# Altium PCB MasterBoard Filips Shape.PcbDoc (part 1 of 2) (continued)
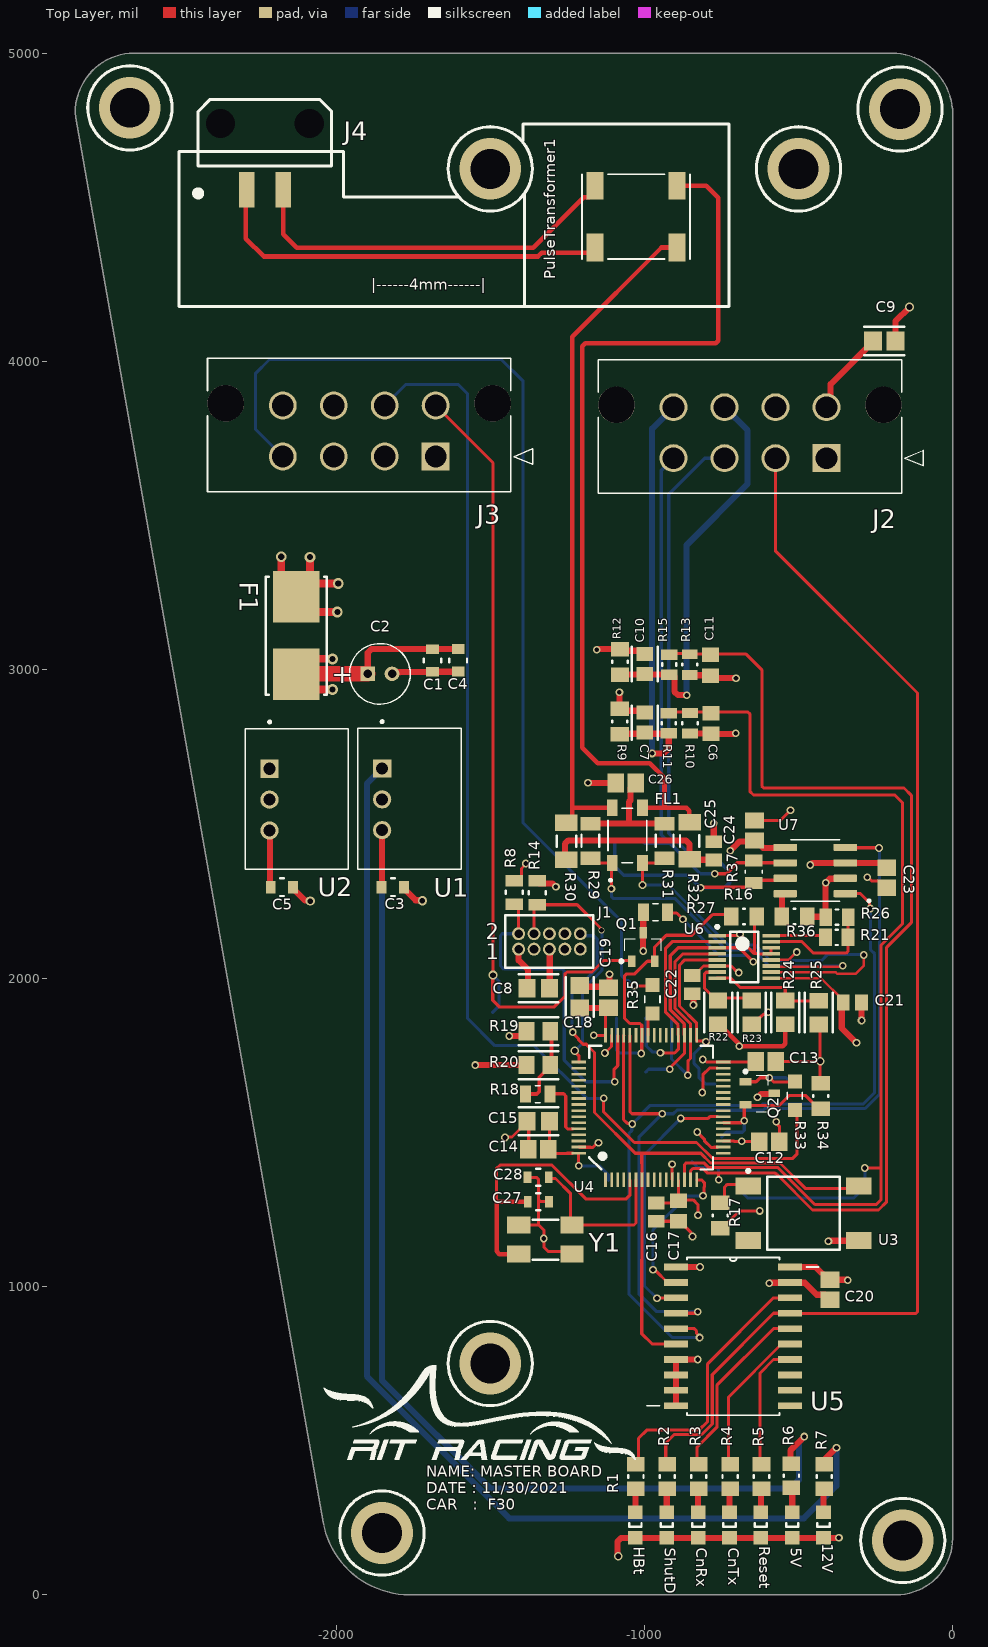
[diagram p0: Top Layer view]
## Part data
5V 12V CnRx CnTx HBt Reset ShutD: library part CMP-1426-00009-1, "SMD mono-color Chip LED, WL-SMCW, Bright Green", Case Code (Imperial)=0805, Case Code (Metric)=2012, Color="Bright Green", Forward Current=30mA, Forward Voltage=2V, Manufacturer="Wuerth Elektronik", Manufacturer 1="Wurth Electronics", Manufacturer Part Number 1=150080VS75000, Max Operating Temperature=85°C, Min Operating Temperature=-40°C, Package Quantity=4000, Supplier Part Number 1=732-4986-1-ND, Test Current=20mA, Case/Package=0805, Category=LEDs, ComponentLink1Description="Manufacturer URL", ComponentLink1URL=http://www.we-online.com, ComponentLink2Description=Datasheet, ComponentLink2URL=http://katalog.we-online.com/led/datasheet/150080VS75000.pdf, ComponentLink3Description=https://datasheet.ciiva.com/22656/150080vs75000-22656966.pdf?src-supplier=Element14, ComponentLink3URL=https://datasheet.ciiva.com/22656/150080vs75000-22656966.pdf?src-supplier=Element14, ComponentLink4Description=https://datasheet.ciiva.com/29279/759437-da-01-en-chipled-0805-w-kl-h-gruen-150080vs7500-29279047.pdf?src-supplier=Conrad, ComponentLink4URL=https://datasheet.ciiva.com/29279/759437-da-01-en-chipled-0805-w-kl-h-gruen-150080vs7500-29279047.pdf?src-supplier=Conrad, ComponentLink5Description=https://datasheet.ciiva.com/29563/150080vs75000-29563018.pdf?src-supplier=Digi-Key, ComponentLink5URL=https://datasheet.ciiva.com/29563/150080vs75000-29563018.pdf?src-supplier=Digi-Key, Dominant Wavelength=570nm, Height=0.7mm, Length=2mm, Lens Style=Clear,Rectangular, Luminous Intensity=40mcd, Mount="Surface Mount", PackageReference=0805_A, Packaging="Tape and Reel", PartNumber=150080VS75000, Pricing 1="1=0.18000, 50=0.16500, 100=0.14200, 500=0.12300 (USD)", REACH SVHC=Unknown, RoHS=Yes, Stock 1=20997, Supplier 1=Digi-Key, Viewing Angle=140°, Wavelength=570nm, Width=1.25mm
"AIR Signal NMOS" AIR_OPEN_SIGNAL CANH CANL CHANNEL1 CHANNEL2 "Charging Signal" "Charging Signal NMOS" TP_CS TP_MISO TP_MOSI TP_SCK VCC_3.3V VCC_5V: "SMD Test Point", Manufacturer="Keystone Electronics", ComponentLink1Description=Datasheet, ComponentLink1URL=http://www.mouser.com/ds/2/215/005-5009-743680.pdf, PartNumber=5015, Published=22Oct2016, Publisher=T.Tallo, Status=Active, TargetLibrary=RITRacing-Connectors
C1 C3 C4 C5: library part CMP-08246-003655-1, "Multilayer Ceramic Capacitors 10μF ±10% 16V X6S SMD 0805", Case Code (Imperial)=0805, Case Code (Metric)=2012, Dielectric=X6S, Dielectric Material=Ceramic, Max Operating Temperature=105°C, Min Operating Temperature=-55°C, Package Quantity=1, Supplier Part Number 1=445-7611-1-ND, Tolerance=10%, Voltage Rating=16V, Capacitance=10uF, Case/Package=0805, Construction=Flat, Contact Plating=Tin, Depth=1.25mm, Height=1.25mm, Lead Free="Lead Free", Length=2mm, Mount="Surface Mount", Packaging="Tape and Reel", REACH SVHC="No SVHC", RoHS Compliant=Yes, Series=C, Supplier 1=Digi-Key, Thickness=0.057inch, Voltage Rating (DC)=16V, Width=0.049inch
C2: library part "Cap, TH, Electrolytic_5mm", "Cap Alum 10UF 20% 25V Radial", Manufacturer 1=KEMET, Manufacturer Part Number 1=ESW106M025AC3AA, Supplier Part Number 1=399-ESW106M025AC3AA-ND, Pricing 1="1=0.23000, 10=0.15400, 50=0.09260, 100=0.07820, 500=0.05352, 1000=0.04735, 2500=0.04529, 5000=0.04117 (USD)", Published=22Oct2016, Publisher=T.Tallo, RoHS Compliant=Yes, Status=Active, Stock 1=7476, Supplier 1=Digi-Key, TargetLibrary=RITRacing-Passives
C6 C11: library part CMP-2007-00190-1, Capacitance=680nF, Case Code (Imperial)=0805, Case Code (Metric)=2012, Dielectric=X7R, Manufacturer=Murata, Max Operating Temperature=125°C, Min Operating Temperature=-55°C, Package Quantity=1, Supplier Part Number 1=490-4741-1-ND, Tolerance=10%, Voltage=16V, Case/Package=0805, Category="Ceramic Capacitors", ComponentLink1Description=https://datasheet.ciiva.com/136/grm219r71c684ka01-01-136854.pdf?src-supplier=Digi-Key, ComponentLink1URL=https://datasheet.ciiva.com/136/grm219r71c684ka01-01-136854.pdf?src-supplier=Digi-Key, ComponentLink2Description=https://datasheet.ciiva.com/136/grm219r71c684ka01-01-136855.pdf?src-supplier=Digi-Key, ComponentLink2URL=https://datasheet.ciiva.com/136/grm219r71c684ka01-01-136855.pdf?src-supplier=Digi-Key, ComponentLink3Description=https://datasheet.ciiva.com/136/grm219r71c684ka01-01-136856.pdf?src-supplier=Digi-Key, ComponentLink3URL=https://datasheet.ciiva.com/136/grm219r71c684ka01-01-136856.pdf?src-supplier=Digi-Key, ComponentLink4Description=https://datasheet.ciiva.com/5426/product-5426512.pdf?src-supplier=Mouser, ComponentLink4URL=https://datasheet.ciiva.com/5426/product-5426512.pdf?src-supplier=Mouser, ComponentLink5Description=https://datasheet.ciiva.com/11464/product-11464042.pdf?src-supplier=Avnet, ComponentLink5URL=https://datasheet.ciiva.com/11464/product-11464042.pdf?src-supplier=Avnet, Construction=Flat, Depth=1.25mm, Height=0.85mm, Lead Free="Lead Free", Length=2mm, Manufacturer 1=Murata, Manufacturer 2=Murata, Manufacturer 3=Murata, Manufacturer Part Number 1=GRM219R71C684KA01D, Manufacturer Part Number 2=GRM219R71C684KA01D, Manufacturer Part Number 3=GRM219R71C684KA01D, Material=Ceramic, Mount="Surface Mount", Packaging="Tape and Reel", Part Number=GRM219R71C684KA01D, Pricing 1="1=0.33000, 10=0.22300, 50=0.14860, 100=0.12630, 500=0.08914, 1000=0.07800 (USD)", Pricing 2="1=0.33000, 10=0.22300, 50=0.14860, 100=0.12630, 500=0.08914, 1000=0.07800 (USD)", Pricing 3="1=0.32000, 10=0.22300, 50=0.22300, 100=0.12700, 500=0.09000, 1000=0.07800, 2000=0.07500, 4000=0.06800, 8000=0.05600, 10000=0.05600 (USD)", Radiation Hardening=No, RoHS=Yes, RoHS Compliant=Yes, Series=GRM, Stock 1=28535, Stock 2=28535, Stock 3=83, Supplier 1=Digi-Key, Supplier 2=Digi-Key, Supplier 3=Mouser, Supplier Part Number 2=490-4741-6-ND, Supplier Part Number 3=81-GRM219R71C684KA1D, Termination=SMD/SMT, Thickness=0.037inch, Voltage Rating=16V, Voltage Rating (DC)=16V, Width=1.25mm
C7 C10: library part CMP-2007-00135-2, "Chip Multilayer Ceramic Capacitors for General Purpose, 0805, 10000pF, C0G, 30ppm/°C, 5%, 50V", Capacitance=10nF, Case Code (Imperial)=0805, Case Code (Metric)=2012, Dielectric=C0G, Dielectric Material=Ceramic, Insulation Resistance=10GR, Manufacturer 1=Murata, Max Operating Temperature=125°C, Min Operating Temperature=-55°C, Package Quantity=1, Supplier Part Number 1=08AC2712, Temperature Coefficient=30ppm/°C, Tolerance=5%, Voltage=50V, Case/Package=0805, Category="Ceramic Capacitors", ComponentLink1Description=https://datasheet.ciiva.com/3777/376grm2195c1h103ja0123-3777227.pdf?src-supplier=Arrow+Electronics, ComponentLink1URL=https://datasheet.ciiva.com/3777/376grm2195c1h103ja0123-3777227.pdf?src-supplier=Arrow+Electronics, ComponentLink2Description=https://datasheet.ciiva.com/11786/0900766b807a1cab-11786595.pdf?src-supplier=RSComponents, ComponentLink2URL=https://datasheet.ciiva.com/11786/0900766b807a1cab-11786595.pdf?src-supplier=RSComponents, ComponentLink3Description=https://datasheet.ciiva.com/19476/1858501-19476200.pdf?src-supplier=Jameco, ComponentLink3URL=https://datasheet.ciiva.com/19476/1858501-19476200.pdf?src-supplier=Jameco, ComponentLink4Description=https://datasheet.ciiva.com/29200/452695-da-01-en-vs-kondensator-0805-29200853.pdf?src-supplier=Conrad, ComponentLink4URL=https://datasheet.ciiva.com/29200/452695-da-01-en-vs-kondensator-0805-29200853.pdf?src-supplier=Conrad, ComponentLink5Description=https://datasheet.ciiva.com/138/partnumbering-e-01-138167.pdf?src-supplier=Digi-Key, ComponentLink5URL=https://datasheet.ciiva.com/138/partnumbering-e-01-138167.pdf?src-supplier=Digi-Key, ComponentLink6Description=https://datasheet.ciiva.com/138/partnumbering-e-01-138165.pdf?src-supplier=Digi-Key, ComponentLink6URL=https://datasheet.ciiva.com/138/partnumbering-e-01-138165.pdf?src-supplier=Digi-Key, ComponentLink7Description=https://datasheet.ciiva.com/138/partnumbering-e-01-138166.pdf?src-supplier=Digi-Key, ComponentLink7URL=https://datasheet.ciiva.com/138/partnumbering-e-01-138166.pdf?src-supplier=Digi-Key, ComponentLink8Description=https://datasheet.ciiva.com/2989/product-2989652.pdf?src-supplier=Avnet, ComponentLink8URL=https://datasheet.ciiva.com/2989/product-2989652.pdf?src-supplier=Avnet, ComponentLink9Description=https://datasheet.ciiva.com/11620/product-11620062.pdf?src-supplier=Avnet, ComponentLink9URL=https://datasheet.ciiva.com/11620/product-11620062.pdf?src-supplier=Avnet, ComponentLink10Description=https://datasheet.ciiva.com/7828/4360-7828972.pdf?src-supplier=Element14, ComponentLink10URL=https://datasheet.ciiva.com/7828/4360-7828972.pdf?src-supplier=Element14, ComponentLink11Description=https://datasheet.ciiva.com/7828/1747462-7828970.pdf?src-supplier=Element14, ComponentLink11URL=https://datasheet.ciiva.com/7828/1747462-7828970.pdf?src-supplier=Element14, ComponentLink12Description=https://datasheet.ciiva.com/7828/1747462-7828971.pdf?src-supplier=Element14, ComponentLink12URL=https://datasheet.ciiva.com/7828/1747462-7828971.pdf?src-supplier=Element14, Construction=Flat, Depth=1.25mm, Height=0.85mm, Lead Free="Lead Free", Length=2mm, Manufacturer 2=Murata, Manufacturer Part Number 1=GRM2195C1H103JA01D, Manufacturer Part Number 2=GRM2195C1H103JA01D, Material=Ceramic, Mount="Surface Mount", Number of Pins=2, Packaging="Tape and Reel", Pricing 1="1=0.09100, 4000=0.09100 (USD)", Pricing 2="1=0.38000, 10=0.25900, 50=0.17300, 100=0.14700, 500=0.10378, 1000=0.09080 (USD)", Radiation Hardening=No, REACH SVHC="No SVHC", RoHS=Yes, RoHS Compliant=Yes, Series=GRM, Size=0.85mm, Stock 1=44000, Supplier 1=Newark, Supplier 2=Digi-Key, Supplier Part Number 2=490-1642-1-ND, Termination=SMD/SMT, Thickness=0.037inch, Voltage Rating=50V, Voltage Rating (DC)=50V, Width=0.049inch
C8: library part CMP-2007-03360-2, "Ceramic Capacitor for Automotive 470nF ±10% 50VDC X7R 0805 Embossed T/R", Case Code (Imperial)=0805, Case Code (Metric)=2012, Dielectric=X7R, Manufacturer 1=Murata, Manufacturer Part Number 1=GCM21BR71H474KA55K, Max Operating Temperature=125°C, Min Operating Temperature=-55°C, Package Quantity=10000, Ratings=AEC-Q200, Supplier Part Number 1=490-11164-1-ND, Tolerance=10%, Voltage Rating=50V, Capacitance=470nF, Case/Package=0805, Category="Ceramic Capacitors", ComponentLink1Description=https://datasheet.ciiva.com/171/product-171550.pdf?src-supplier=Digi-Key, ComponentLink1URL=https://datasheet.ciiva.com/171/product-171550.pdf?src-supplier=Digi-Key, ComponentLink2Description=https://datasheet.ciiva.com/11673/product-11673422.pdf?src-supplier=Avnet, ComponentLink2URL=https://datasheet.ciiva.com/11673/product-11673422.pdf?src-supplier=Avnet, Construction=Flat, Depth=1.25mm, Height=1.25mm, Length=2mm, Mount="Surface Mount", Packaging="Tape and Reel", Pricing 1="1=0.30000, 10=0.20800, 50=0.13860, 100=0.11780, 500=0.08318, 1000=0.07279, 2500=0.06932, 5000=0.06412 (USD)", Radiation Hardening=No, RoHS=Yes, RoHS Compliant=Yes, Series=GCM, Stock 1=26700, Supplier 1=Digi-Key, Termination=SMD/SMT, Thickness=0.055inch, Voltage Rating (DC)=50V, Width=0.049inch
C9: library part CMP-2000-06341-2, "Chip Multilayer Ceramic Capacitors for General Purpose, 0805, 47uF, X5R, 15%, 20%, 10V", Capacitance=47uF, Case Code (Imperial)=0805, Case Code (Metric)=2012, Dielectric=X5R, Dielectric Material=Ceramic, Manufacturer 1=Murata, Max Operating Temperature=85°C, Min Operating Temperature=-55°C, Supplier Part Number 1=490-9961-2-ND, Tolerance=20%, Voltage=10V, Case/Package=0805, Category="Ceramic Capacitors", ComponentLink1Description=http://www.farnell.com/datasheets/2079183.pdf?src-supplier=Farnell, ComponentLink1URL=http://www.farnell.com/datasheets/2079183.pdf?src-supplier=Farnell, ComponentLink2Description=http://components.arrow.com/part/dataview/0323_07199600?src-supplier=Arrow+Europe, ComponentLink2URL=http://components.arrow.com/part/dataview/0323_07199600?src-supplier=Arrow+Europe, ComponentLink3Description=http://psearch.en.murata.com/capacitor/product/GRM21BR61A476ME15%23.pdf?src-supplier=Avnet, ComponentLink3URL=http://psearch.en.murata.com/capacitor/product/GRM21BR61A476ME15%23.pdf?src-supplier=Avnet, ComponentLink4Description=https://search.murata.co.jp/Ceramy/image/img/A01X/G101/ENG/GRM21BR61A476ME15-01.pdf?src-supplier=Digi-Key, ComponentLink4URL=https://search.murata.co.jp/Ceramy/image/img/A01X/G101/ENG/GRM21BR61A476ME15-01.pdf?src-supplier=Digi-Key, ComponentLink5Description=http://search.murata.co.jp/Ceramy/image/img/A01X/G101/ENG/GRM21BR61A476ME15-01.pdf?src-supplier=Digi-Key, ComponentLink5URL=http://search.murata.co.jp/Ceramy/image/img/A01X/G101/ENG/GRM21BR61A476ME15-01.pdf?src-supplier=Digi-Key, ComponentLink6Description=http://www.farnell.com/datasheets/2079183.pdf?src-supplier=Element14, ComponentLink6URL=http://www.farnell.com/datasheets/2079183.pdf?src-supplier=Element14, ComponentLink7Description=http://www.farnell.com/datasheets/2079183.pdf?src-supplier=Newark, ComponentLink7URL=http://www.farnell.com/datasheets/2079183.pdf?src-supplier=Newark, Depth=1.25mm, Dissipation Factor=0.035%, Height=1.25mm, Lead Free="Lead Free", Length=2mm, Manufacturer Part Number 1=GRM21BR61A476ME15L, Mount="Surface Mount", Packaging="Tape and Reel", Pricing 1="3000=0.19360 (USD)", REACH SVHC="No SVHC", RoHS=Yes, RoHS Compliant=Yes, Stock 1=291985, Supplier 1=Digi-Key, Termination=SMD/SMT, Thickness=0.057inch, Voltage Rating=10V, Voltage Rating (DC)=10V, Width=0.049inch
C12 C13 C14 C19 C20 C23 C24 C26: library part CMP-2007-03212-1, Case Code (Imperial)=0805, Case Code (Metric)=2012, Dielectric=X7R, Manufacturer=Murata, Manufacturer Part Number 1=GCJ21BR71H104KA01L, Max Operating Temperature=125°C, Min Operating Temperature=-55°C, Package Quantity=3000, Ratings=AEC-Q200, Supplier Part Number 1=490-5803-1-ND, Tolerance=10%, Voltage Rating=50V, Capacitance=100nF, Case/Package=0805, Category="Ceramic Capacitors", ComponentLink1Description=https://datasheet.ciiva.com/17453/product-17453782.pdf?src-supplier=Avnet+Europe, ComponentLink1URL=https://datasheet.ciiva.com/17453/product-17453782.pdf?src-supplier=Avnet+Europe, ComponentLink2Description=https://datasheet.ciiva.com/18183/getdatasheetpartid-663717-18183469.pdf?src-supplier=Verical, ComponentLink2URL=https://datasheet.ciiva.com/18183/getdatasheetpartid-663717-18183469.pdf?src-supplier=Verical, ComponentLink3Description=https://datasheet.ciiva.com/136/s0717e-136749.pdf?src-supplier=Digi-Key, ComponentLink3URL=https://datasheet.ciiva.com/136/s0717e-136749.pdf?src-supplier=Digi-Key, ComponentLink4Description=https://datasheet.ciiva.com/136/s0717e-136750.pdf?src-supplier=Digi-Key, ComponentLink4URL=https://datasheet.ciiva.com/136/s0717e-136750.pdf?src-supplier=Digi-Key, ComponentLink5Description=https://datasheet.ciiva.com/136/s0717e-136751.pdf?src-supplier=Digi-Key, ComponentLink5URL=https://datasheet.ciiva.com/136/s0717e-136751.pdf?src-supplier=Digi-Key, Construction=Flat, Depth=1.25mm, Features="Soft Termination", Height=1.25mm, Lead Free="Lead Free", Length=2mm, Manufacturer 1=Murata, Mount="Surface Mount", Packaging="Tape and Reel", Part Number=GCJ21BR71H104KA01L, Pricing 1="1=0.48000, 10=0.34200, 50=0.25880, 100=0.22540, 500=0.16698, 1000=0.14193 (USD)", Radiation Hardening=No, RoHS=Yes, RoHS Compliant=Yes, Series=GCJ, Stock 1=105376, Supplier 1=Digi-Key, Termination=SMD/SMT, Thickness=0.057inch, Voltage Rating (DC)=50V, Width=0.049inch
C15 C18: library part CMP-2007-03343-2, "Ceramic Capacitor for Automotive 4.7uF ±10% 16VDC X7R 0805 Embossed T/R", Case Code (Imperial)=0805, Case Code (Metric)=2012, Dielectric=X7R, Manufacturer 1=Murata, Manufacturer Part Number 1=GCM21BR71C475KA73L, Max Operating Temperature=125°C, Min Operating Temperature=-55°C, Package Quantity=1, Ratings=AEC-Q200, Supplier Part Number 1=490-5332-1-ND, Tolerance=10%, Voltage=16V, Capacitance=4.7uF, Case/Package=0805, Category="Ceramic Capacitors", ComponentLink1Description=https://datasheet.ciiva.com/11613/product-11613410.pdf?src-supplier=Avnet, ComponentLink1URL=https://datasheet.ciiva.com/11613/product-11613410.pdf?src-supplier=Avnet, ComponentLink2Description=https://datasheet.ciiva.com/11787/0900766b80ef92d0-11787002.pdf?src-supplier=RSComponents, ComponentLink2URL=https://datasheet.ciiva.com/11787/0900766b80ef92d0-11787002.pdf?src-supplier=RSComponents, ComponentLink3Description=https://datasheet.ciiva.com/140/s0717e-140483.pdf?src-supplier=Digi-Key, ComponentLink3URL=https://datasheet.ciiva.com/140/s0717e-140483.pdf?src-supplier=Digi-Key, ComponentLink4Description=https://datasheet.ciiva.com/140/s0717e-140484.pdf?src-supplier=Digi-Key, ComponentLink4URL=https://datasheet.ciiva.com/140/s0717e-140484.pdf?src-supplier=Digi-Key, Construction=Flat, Depth=1.25mm, Height=1.25mm, Lead Free="Lead Free", Length=2mm, Mount="Surface Mount", Packaging="Tape and Reel", Pricing 1="1=0.37000, 10=0.25300, 50=0.16900, 100=0.14360, 500=0.10138, 1000=0.08870 (USD)", Radiation Hardening=No, REACH SVHC="No SVHC", RoHS=Yes, RoHS Compliant=Yes, Series=GCM, Stock 1=382617, Supplier 1=Digi-Key, Termination=SMD/SMT, Thickness=0.055inch, Voltage Rating=16V, Voltage Rating (DC)=16V, Weight=0.000335oz, Width=0.049inch
C16 C21 C22 C25: library part CMP-2007-00806-1, Case Code (Imperial)=0805, Case Code (Metric)=2012, Dielectric=X7R, Manufacturer=Murata, Manufacturer Part Number 1=GCM216R72A103KA37D, Max Operating Temperature=125°C, Min Operating Temperature=-55°C, Package Quantity=1, Ratings=AEC-Q200, Supplier Part Number 1=490-6060-1-ND, Tolerance=10%, Voltage=100V, Capacitance=10nF, Case/Package=0805, Category="Ceramic Capacitors", ComponentLink1Description=https://datasheet.ciiva.com/11620/product-11620072.pdf?src-supplier=Avnet, ComponentLink1URL=https://datasheet.ciiva.com/11620/product-11620072.pdf?src-supplier=Avnet, ComponentLink2Description=https://datasheet.ciiva.com/18183/getdatasheetpartid-223896-18183680.pdf?src-supplier=Verical, ComponentLink2URL=https://datasheet.ciiva.com/18183/getdatasheetpartid-223896-18183680.pdf?src-supplier=Verical, ComponentLink3Description=https://datasheet.ciiva.com/6270/s0717e-6270558.pdf?src-supplier=Digi-Key, ComponentLink3URL=https://datasheet.ciiva.com/6270/s0717e-6270558.pdf?src-supplier=Digi-Key, ComponentLink4Description=https://datasheet.ciiva.com/16214/s0717e-16214647.pdf?src-supplier=Future+Electronics, ComponentLink4URL=https://datasheet.ciiva.com/16214/s0717e-16214647.pdf?src-supplier=Future+Electronics, Construction=Flat, Depth=1.25mm, Height=0.6mm, Lead Free="Lead Free", Length=2mm, Manufacturer 1=Murata, Mount="Surface Mount", Packaging="Tape and Reel", Part Number=GCM216R72A103KA37D, Pricing 1="1=0.36000, 10=0.24900, 50=0.16640, 100=0.14140, 500=0.09980, 1000=0.08732 (USD)", Radiation Hardening=No, RoHS=Yes, RoHS Compliant=Yes, Series=GCM, Stock 1=2316, Supplier 1=Digi-Key, Termination=SMD/SMT, Thickness=0.028inch, Voltage Rating=100V, Voltage Rating (DC)=100V, Width=0.049inch
C17: library part CMP-2007-00957-1, Case Code (Imperial)=0805, Case Code (Metric)=2012, Dielectric=X5R, Manufacturer=Murata, Manufacturer Part Number 1=GRM216R61E105KA12D, Max Operating Temperature=85°C, Min Operating Temperature=-55°C, Package Quantity=1, Supplier Part Number 1=490-1700-1-ND, Tolerance=10%, Voltage=25V, Capacitance=1uF, Case/Package=0805, Category="Ceramic Capacitors", ComponentLink1Description=https://datasheet.ciiva.com/5424/product-5424880.pdf?src-supplier=Mouser, ComponentLink1URL=https://datasheet.ciiva.com/5424/product-5424880.pdf?src-supplier=Mouser, ComponentLink2Description=https://datasheet.ciiva.com/3777/337grm216r61e105ka1223-3777289.pdf?src-supplier=Arrow+Electronics, ComponentLink2URL=https://datasheet.ciiva.com/3777/337grm216r61e105ka1223-3777289.pdf?src-supplier=Arrow+Electronics, ComponentLink3Description=https://datasheet.ciiva.com/11787/0900766b80ef921d-11787891.pdf?src-supplier=RSComponents, ComponentLink3URL=https://datasheet.ciiva.com/11787/0900766b80ef921d-11787891.pdf?src-supplier=RSComponents, ComponentLink4Description=https://datasheet.ciiva.com/138/partnumbering-e-01-138517.pdf?src-supplier=Digi-Key, ComponentLink4URL=https://datasheet.ciiva.com/138/partnumbering-e-01-138517.pdf?src-supplier=Digi-Key, ComponentLink5Description=https://datasheet.ciiva.com/138/partnumbering-e-01-138519.pdf?src-supplier=Digi-Key, ComponentLink5URL=https://datasheet.ciiva.com/138/partnumbering-e-01-138519.pdf?src-supplier=Digi-Key, ComponentLink6Description=https://datasheet.ciiva.com/138/partnumbering-e-01-138518.pdf?src-supplier=Digi-Key, ComponentLink6URL=https://datasheet.ciiva.com/138/partnumbering-e-01-138518.pdf?src-supplier=Digi-Key, ComponentLink7Description=https://datasheet.ciiva.com/2989/product-2989638.pdf?src-supplier=Avnet, ComponentLink7URL=https://datasheet.ciiva.com/2989/product-2989638.pdf?src-supplier=Avnet, ComponentLink8Description=https://datasheet.ciiva.com/22706/1889704-22706791.pdf?src-supplier=Element14, ComponentLink8URL=https://datasheet.ciiva.com/22706/1889704-22706791.pdf?src-supplier=Element14, ComponentLink9Description=https://datasheet.ciiva.com/7719/c02e-7719049.pdf?src-supplier=Element14, ComponentLink9URL=https://datasheet.ciiva.com/7719/c02e-7719049.pdf?src-supplier=Element14, Construction=Flat, Depth=1.25mm, Height=0.6mm, Lead Free="Lead Free", Length=2mm, Manufacturer 1=Murata, Material=Ceramic, Mount="Surface Mount", Number of Pins=2, Packaging="Tape and Reel", Part Number=GRM216R61E105KA12D, Pricing 1="1=0.40000, 10=0.27800, 50=0.19480, 100=0.16700, 500=0.12524, 1000=0.10575 (USD)", Radiation Hardening=No, REACH SVHC="No SVHC", RoHS=Yes, RoHS Compliant=Yes, Series=GRM, Stock 1=839705, Supplier 1=Digi-Key, Termination=SMD/SMT, Thickness=0.028inch, Voltage Rating=25V, Voltage Rating (DC)=25V, Width=1.25mm
C27 C28: library part CMP-2007-03884-2, "Ceramic Capacitor 18pF ±5% 250VDC C0G 0805 Paper T/R", Case Code (Imperial)=0805, Case Code (Metric)=2012, Dielectric=C0G, Manufacturer 1=Murata, Manufacturer Part Number 1=GQM2195C2E180JB12D, Max Operating Temperature=125°C, Min Operating Temperature=-55°C, Package Quantity=1, Supplier Part Number 1=490-5297-1-ND, Tolerance=5%, Voltage Rating=250V, Capacitance=18pF, Case/Package=0805, Category="Ceramic Capacitors", ComponentLink1Description=https://datasheet.ciiva.com/5420/product-5420568.pdf?src-supplier=Mouser, ComponentLink1URL=https://datasheet.ciiva.com/5420/product-5420568.pdf?src-supplier=Mouser, ComponentLink2Description=https://datasheet.ciiva.com/142/partnumbering-e-01-142348.pdf?src-supplier=Digi-Key, ComponentLink2URL=https://datasheet.ciiva.com/142/partnumbering-e-01-142348.pdf?src-supplier=Digi-Key, ComponentLink3Description=https://datasheet.ciiva.com/142/partnumbering-e-01-142349.pdf?src-supplier=Digi-Key, ComponentLink3URL=https://datasheet.ciiva.com/142/partnumbering-e-01-142349.pdf?src-supplier=Digi-Key, ComponentLink4Description=https://datasheet.ciiva.com/142/partnumbering-e-01-142350.pdf?src-supplier=Digi-Key, ComponentLink4URL=https://datasheet.ciiva.com/142/partnumbering-e-01-142350.pdf?src-supplier=Digi-Key, ComponentLink5Description=https://datasheet.ciiva.com/11607/product-11607802.pdf?src-supplier=Avnet, ComponentLink5URL=https://datasheet.ciiva.com/11607/product-11607802.pdf?src-supplier=Avnet, Construction=Flat, Depth=1.25mm, Height=0.85mm, Length=2mm, Mount="Surface Mount", Packaging="Tape and Reel", Pricing 1="1=1.00000, 10=0.75900, 50=0.63080, 100=0.54320, 500=0.42056, 1000=0.36214 (USD)", Radiation Hardening=No, RoHS=Yes, RoHS Compliant=Yes, Series=GQM, Stock 1=3729, Supplier 1=Digi-Key, Termination=SMD/SMT, Thickness=0.039inch, Voltage Rating (DC)=250V, Width=1.25mm
F1: library part CMP-08605-000033-1, "FUSE BOARD MNT 2A 125VAC/VDC SMD", Manufacturer=Littelfuse, Manufacturer Part Number=0154002.DR, Max Fuse Ac Voltage=125V, Package=0154, Resistance=0.0625Ω, Supplier Part Number 1=F1224CT-ND, Temperature="-55°C to +125°C", Temperature Range High=+125°C, Temperature Range Low=-55°C, Automotive=No, Category=Fuse, ComponentLink2Description=Datasheet, ComponentLink2URL=https://www.littelfuse.com/~/media/electronics/datasheets/fuses/littelfuse_fuse_154_154t_154l_154tl_datasheet.pdf.pdf, Device Class L1="Circuit Protection", Device Class L2=Fuses, Device Class L3=unset, Digikey Description="FUSE BOARD MNT 2A 125VAC/VDC SMD", Fuse Blow Speed=Fast, Fuse Current=2A, Fuse I2T=8.2A2Sec, Height=3.81mm, Lead Free=Yes, Max Fuse Dc Voltage=125V, Mouser Description="154 Series Fast-Acting 125 V 2 A 9.73 x 5.03 mm OMNI-BLOK® SMT Fuse & Holder", Octopart=https://octopart.com/0154002.dr-littelfuse-565858, RoHS=TRUE, Supplier 1=Digi-Key, Voltage Rating=125V
FL1: "100ÂµH @ 100kHz 2 Line Common Mode Choke Surface Mount 5.8 kOhms @ 10MHz 150mA DCR 2Ohm", Package=None, Supplier Part Number 1=445-3957-1-ND, Availability=Unavailable, MP=ACT45B-220-2P-TL003, Price=None, Supplier 1=Digi-Key, Supplier 2=Digi-Key, Supplier 3=Digi-Key, Supplier 4=Mouser, Supplier Part Number 2=445-3957-6-ND, Supplier Part Number 3=445-3957-2-ND, Supplier Part Number 4=810-ACT45B2202PTL003
J1: "CONN HEADER SMD 10POS 1.27MM", Color=Black, Manufacturer 1=Samtec, Manufacturer Part Number 1=FTSH-105-01-L-DV-K, Max Current Rating=1.75A, Max Operating Temperature=125°C, Min Operating Temperature=-55°C, Package=None, Package Quantity=1, Supplier Part Number 1=SAM8799-ND, Availability=Unavailable, Category="Headers and Wire Housings", ComponentLink1Description=https://datasheet.ciiva.com/26936/getdatasheetpartid-175877-26936879.pdf?src-supplier=Verical, ComponentLink1URL=https://datasheet.ciiva.com/26936/getdatasheetpartid-175877-26936879.pdf?src-supplier=Verical, ComponentLink2Description=https://datasheet.ciiva.com/22703/ftsh-smt-22703900.pdf?src-supplier=Element14, ComponentLink2URL=https://datasheet.ciiva.com/22703/ftsh-smt-22703900.pdf?src-supplier=Element14, ComponentLink3Description=https://datasheet.ciiva.com/10245/ftsh-mt-10245272.pdf?src-supplier=Avnet, ComponentLink3URL=https://datasheet.ciiva.com/10245/ftsh-mt-10245272.pdf?src-supplier=Avnet, ComponentLink4Description=https://datasheet.ciiva.com/16657/ftsh-mt-16657372.pdf?src-supplier=Avnet+Europe, ComponentLink4URL=https://datasheet.ciiva.com/16657/ftsh-mt-16657372.pdf?src-supplier=Avnet+Europe, ComponentLink5Description=https://datasheet.ciiva.com/728/ftsh-1xx-xx-xxx-dv-xxx-mkt-728872.pdf?src-supplier=Digi-Key, ComponentLink5URL=https://datasheet.ciiva.com/728/ftsh-1xx-xx-xxx-dv-xxx-mkt-728872.pdf?src-supplier=Digi-Key, Connector Type="Male Pin", Contact Material=Bronze, Contact Mating Length=0.12inch, Contact Plating=Gold, Contact Type="Male Pin", Depth=3.43mm, Gender=Male, Housing Color=Black, Housing Material=Polymer, Lead Free="Lead Free", Length=6.35mm, MF=Samtec, Mount="Surface Mount", MP=FTSH-105-01-F-D, Number of Contacts=10, Number of Positions=10, Number of Rows=2, Orientation=Straight, Packaging=Rail/Tube, Pitch=1.27mm, Price=None, Pricing 1="1=3.91000, 10=3.75700, 92=3.13098, 460=2.66135, 1012=2.26997 (USD)", Radiation Hardening=No, REACH SVHC="No SVHC", RoHS=Yes, RoHS Compliant=Yes, Row Spacing=0.05inch, Series=FTSH, SnapEDA_Link=https://www.snapeda.com/parts/FTSH-105-01-F-D/Samtec%20Inc./view-part/105348/?ref=snap, Stock 1=38057, Supplier 1=Digi-Key, Termination=Solder
J2 J3: "Conn Power HDR 8 POS 4.2mm Solder ST Thru-Hole 8 Terminal 1 Port Mini-Fit Jr™ Frame", Color=Black, Current Rating=13A, Manufacturer 1=Molex, Manufacturer Part Number 1=46207-0008, Max Operating Temperature=105°C, Max Voltage Rating (DC)=600.6kV, Mfr_Name="Molex Connector Corporation", Min Operating Temperature=-40°C, Package Quantity=1, Supplier Part Number 1=WM21377-ND, Voltage Rating=600V, Category="Headers and Wire Housings", ComponentLink1Description=https://datasheet.ciiva.com/726/462070004-sd-726556.pdf?src-supplier=Digi-Key, ComponentLink1URL=https://datasheet.ciiva.com/726/462070004-sd-726556.pdf?src-supplier=Digi-Key, ComponentLink2Description=https://datasheet.ciiva.com/5159/0462070008-pcb-headers-169853-5159064.pdf?src-supplier=Mouser, ComponentLink2URL=https://datasheet.ciiva.com/5159/0462070008-pcb-headers-169853-5159064.pdf?src-supplier=Mouser, ComponentLink3Description=https://datasheet.ciiva.com/11751/0900766b80b0ac72-11751180.pdf?src-supplier=RSComponents, ComponentLink3URL=https://datasheet.ciiva.com/11751/0900766b80b0ac72-11751180.pdf?src-supplier=RSComponents, ComponentLink4Description=https://datasheet.ciiva.com/30199/145480462070008-pcb-headers-30199794.pdf?src-supplier=Onlinecomponents.com, ComponentLink4URL=https://datasheet.ciiva.com/30199/145480462070008-pcb-headers-30199794.pdf?src-supplier=Onlinecomponents.com, ComponentLink5Description=https://datasheet.ciiva.com/25289/1630792-25289386.pdf?src-supplier=Newark, ComponentLink5URL=https://datasheet.ciiva.com/25289/1630792-25289386.pdf?src-supplier=Newark, ComponentLink6Description=https://datasheet.ciiva.com/16653/0462070008-pcb-headers-16653783.pdf?src-supplier=Avnet+Europe, ComponentLink6URL=https://datasheet.ciiva.com/16653/0462070008-pcb-headers-16653783.pdf?src-supplier=Avnet+Europe, Connector Type="Male Pin", Contact Gender=Male, Contact Material=Brass, Contact Plating=Tin, Contact Type="Male Pin", Copyright="Copyright (C) 2021 Ultra Librarian. All rights reserved.", Fastening Type=Ramp, Glow Wire Compliant=Compliant, Halogen Free="Low Halogen", Housing Material=Polymer, Manufacturer_Part_Number=462070008, Mount="Through Hole", Number of Circuits=8, Number of Contacts=8, Number of Positions=8, Number of Rows=2, Orientation=Vertical, Packaging=Tray, Pitch=4.2mm, Pricing 1="1=2.76000, 10=2.34700, 80=1.93888, 3120=1.42868, 6240=1.35724 (USD)", Radiation Hardening=No, RefDes=RefDes, RoHS=Yes, RoHS Compliant=Yes, Row Spacing=0.165inch, Series="Mini-Fit® 46207", Stock 1=3111, Supplier 1=Digi-Key, Termination=Solder, Type=DEV, Voltage Rating (AC)=600V
J4: "Molex 2 Position Board Header, RIght Angle", Manufacturer=Molex, Supplier Part Number 1=538-43650-0209, Voltage=600V, ComponentLink1Description=Datasheet, ComponentLink1URL=http://www.mouser.com/ds/2/418/NG_CD_1445088_A1-614413.pdf, PartNumber=43650-0209, Published=13Aug2018, Publisher=T.Tallo, Status=Active, Supplier 1=Mouser, Supplier 2=Digi-Key, TargetLibrary=RITRacing-Connectors
PulseTransformer1: "No Description Available", Supplier Part Number 1=553-1776-1-ND, Built_By=EMA_Cory, Copyright="Copyright (C) 2018 Accelerated Designs. All rights reserved", Manufacturer_Part_Number=PE-68386NLT, RefDes=RefDes, SourceLibrary=Pulse_Electronics_2019-12-18, Supplier 1=Digi-Key, Supplier 2=Digi-Key, Supplier 3=Digi-Key, Supplier 4=Mouser, Supplier Part Number 2=553-1776-6-ND, Supplier Part Number 3=553-1776-2-ND, Supplier Part Number 4=673-PE-68386NLT, Type=DEV, Vendor="Pulse Electronics Corporation"
Q1 Q2: "N-Channel MOSFET, 30V, 3.5A", Manufacturer=Toshiba, Supplier Part Number 1=SSM3K329RLFDKR-ND, ComponentLink1Description=Datasheet, ComponentLink1URL="See Digikey", PartNumber=SSM3K329R,LF, Published=09/27/2017, Publisher=T.Tallo, Status=Active, Supplier 1=Digi-Key, TargetLibrary=RITRacing-Transistors
R1 R2 R3 R4 R5 R6: library part CMP-2001-01100-1, Manufacturer=Yageo, Part Number=RC0805FR-07365RL
R7: library part CMP-2001-00959-1, Manufacturer=Yageo, Part Number=RC0805FR-071K24L
R8 R14: library part CMP-2001-04899-2, "RES Thick Film, 100kΩ, 1%, 0.125W, 100ppm/°C, 0805", Case Code (Imperial)=0805, Case Code (Metric)=2012, Manufacturer 1=Vishay, Max Operating Temperature=155°C, Max Power Dissipation=125mW, Min Operating Temperature=-55°C, Package Quantity=5000, Resistance=100kR, Resistance Tolerance=1%, Resistor Type="Thick Film", Supplier Part Number 1=541-100KCCT-ND, Temperature Coefficient=100ppm/°C, Voltage Rating=150V, Case/Package=0805, Category="Chip SMD Resistors", ComponentLink1Description=https://datasheet.ciiva.com/11809/0900766b80d98b26-11809057.pdf?src-supplier=RSComponents, ComponentLink1URL=https://datasheet.ciiva.com/11809/0900766b80d98b26-11809057.pdf?src-supplier=RSComponents, ComponentLink2Description=https://datasheet.ciiva.com/8337/dcrcwe3-8337738.pdf?src-supplier=Avnet, ComponentLink2URL=https://datasheet.ciiva.com/8337/dcrcwe3-8337738.pdf?src-supplier=Avnet, ComponentLink3Description=https://datasheet.ciiva.com/3258/dcrcwe3-3258006.pdf?src-supplier=Avnet, ComponentLink3URL=https://datasheet.ciiva.com/3258/dcrcwe3-3258006.pdf?src-supplier=Avnet, ComponentLink4Description=https://datasheet.ciiva.com/16754/70201119-16754822.pdf?src-supplier=Allied+Electronics, ComponentLink4URL=https://datasheet.ciiva.com/16754/70201119-16754822.pdf?src-supplier=Allied+Electronics, ComponentLink5Description=https://datasheet.ciiva.com/7777/1697337-7777349.pdf?src-supplier=Element14, ComponentLink5URL=https://datasheet.ciiva.com/7777/1697337-7777349.pdf?src-supplier=Element14, ComponentLink6Description=https://datasheet.ciiva.com/7777/1720486-7777565.pdf?src-supplier=Element14, ComponentLink6URL=https://datasheet.ciiva.com/7777/1720486-7777565.pdf?src-supplier=Element14, ComponentLink7Description=https://datasheet.ciiva.com/16341/dcrcwe3-16341530.pdf?src-supplier=Future+Electronics, ComponentLink7URL=https://datasheet.ciiva.com/16341/dcrcwe3-16341530.pdf?src-supplier=Future+Electronics, ComponentLink8Description=https://datasheet.ciiva.com/16852/dcrcwe3-16852810.pdf?src-supplier=Avnet+Europe, ComponentLink8URL=https://datasheet.ciiva.com/16852/dcrcwe3-16852810.pdf?src-supplier=Avnet+Europe, ComponentLink9Description=https://datasheet.ciiva.com/16720/70201119-16720891.pdf?src-supplier=Allied+Electronics, ComponentLink9URL=https://datasheet.ciiva.com/16720/70201119-16720891.pdf?src-supplier=Allied+Electronics, Composition="Thick Film", Construction=Rectangular, Contact Plating=Tin, Depth=1.25mm, Features="Automotive AEC-Q200", Height=0.45mm, Lead Free="Lead Free", Length=2mm, Manufacturer Part Number 1=CRCW0805100KFKEA, Military Standard=Not, Mount="Surface Mount", Number of Pins=2, Number of Terminations=2, Packaging="Tape and Reel", Power Rating=125mW, Pricing 1="1=0.10000, 10=0.06700, 100=0.02710, 1000=0.01219, 2500=0.01058 (USD)", Radiation Hardening=No, REACH SVHC=Unknown, RoHS=Yes, RoHS Compliant=Yes, Series=CRCW, Size Code=0805, Stock 1=135309, Supplier 1=Digi-Key, Technology="THICK FILM", Termination=SMD/SMT, Tolerance=1%, Voltage Rating (DC)=150V, Weight=0.000194oz, Width=1.25mm
R9 R12: library part CMP-2001-04934-2, "RES Thick Film, 12kΩ, 1%, 0.125W, 100ppm/°C, 0805", Case Code (Imperial)=0805, Case Code (Metric)=2012, Manufacturer 1=Vishay, Max Operating Temperature=155°C, Max Power Dissipation=125mW, Min Operating Temperature=-55°C, Package Quantity=10, Resistance=12kR, Resistance Tolerance=1%, Resistor Type="Thick Film", Supplier Part Number 1=541-12.0KCCT-ND, Temperature Coefficient=100ppm/°C, Voltage Rating=150V, Case/Package=0805, Category="Chip SMD Resistors", ComponentLink1Description=https://datasheet.ciiva.com/11809/0900766b80d98b26-11809216.pdf?src-supplier=RSComponents, ComponentLink1URL=https://datasheet.ciiva.com/11809/0900766b80d98b26-11809216.pdf?src-supplier=RSComponents, ComponentLink2Description=https://datasheet.ciiva.com/2467/dcrcwe3-2467344.pdf?src-supplier=Digi-Key, ComponentLink2URL=https://datasheet.ciiva.com/2467/dcrcwe3-2467344.pdf?src-supplier=Digi-Key, ComponentLink3Description=https://datasheet.ciiva.com/2467/dcrcwe3-2467345.pdf?src-supplier=Digi-Key, ComponentLink3URL=https://datasheet.ciiva.com/2467/dcrcwe3-2467345.pdf?src-supplier=Digi-Key, ComponentLink4Description=https://datasheet.ciiva.com/2467/dcrcwe3-2467346.pdf?src-supplier=Digi-Key, ComponentLink4URL=https://datasheet.ciiva.com/2467/dcrcwe3-2467346.pdf?src-supplier=Digi-Key, ComponentLink5Description=https://datasheet.ciiva.com/16883/dcrcwe3-16883879.pdf?src-supplier=Avnet+Europe, ComponentLink5URL=https://datasheet.ciiva.com/16883/dcrcwe3-16883879.pdf?src-supplier=Avnet+Europe, ComponentLink6Description=https://datasheet.ciiva.com/16397/dcrcw-16397325.pdf?src-supplier=Future+Electronics, ComponentLink6URL=https://datasheet.ciiva.com/16397/dcrcw-16397325.pdf?src-supplier=Future+Electronics, ComponentLink7Description=https://datasheet.ciiva.com/7841/1697337-7841630.pdf?src-supplier=Element14, ComponentLink7URL=https://datasheet.ciiva.com/7841/1697337-7841630.pdf?src-supplier=Element14, ComponentLink8Description=https://datasheet.ciiva.com/16777/70201119-16777994.pdf?src-supplier=Allied+Electronics, ComponentLink8URL=https://datasheet.ciiva.com/16777/70201119-16777994.pdf?src-supplier=Allied+Electronics, Composition="Thick Film", Construction=Rectangular, Contact Plating=Tin, Depth=1.25mm, Features="Automotive AEC-Q200", Height=0.45mm, Lead Free="Lead Free", Length=2mm, Manufacturer Part Number 1=CRCW080512K0FKEA, Military Standard=Not, Mount="Surface Mount", Number of Terminations=2, Packaging="Tape and Reel", Power Rating=125mW, Pricing 1="1=0.10000, 10=0.06700, 100=0.02710, 1000=0.01219, 2500=0.01058 (USD)", Radiation Hardening=No, REACH SVHC=Unknown, RoHS=Yes, RoHS Compliant=Yes, Series=CRCW, Size Code=0805, Stock 1=2287, Supplier 1=Digi-Key, Technology="THICK FILM", Termination=SMD/SMT, Tolerance=1%, Voltage Rating (DC)=150V, Weight=0.000194oz, Width=0.049inch
R10 R13: library part CMP-2001-03873-2, "RES Thick Film, 3.09kΩ, 1%, 0.125W, 100ppm/°C, 0805", Case Code (Imperial)=0805, Case Code (Metric)=2012, Manufacturer 1=Vishay, Max Operating Temperature=155°C, Max Power Dissipation=125mW, Min Operating Temperature=-55°C, Package Quantity=10, Resistance=3.09kR, Resistance Tolerance=1%, Resistor Type="Thick Film", Supplier Part Number 1=541-3.09KCCT-ND, Temperature Coefficient=100ppm/°C, Voltage Rating=150V, Case/Package=0805, Category="Chip SMD Resistors", ComponentLink1Description=https://datasheet.ciiva.com/9081/dcrcwe3-9081688.pdf?src-supplier=Avnet, ComponentLink1URL=https://datasheet.ciiva.com/9081/dcrcwe3-9081688.pdf?src-supplier=Avnet, ComponentLink2Description=https://datasheet.ciiva.com/2467/dcrcwe3-2467557.pdf?src-supplier=Digi-Key, ComponentLink2URL=https://datasheet.ciiva.com/2467/dcrcwe3-2467557.pdf?src-supplier=Digi-Key, ComponentLink3Description=https://datasheet.ciiva.com/2467/dcrcwe3-2467558.pdf?src-supplier=Digi-Key, ComponentLink3URL=https://datasheet.ciiva.com/2467/dcrcwe3-2467558.pdf?src-supplier=Digi-Key, ComponentLink4Description=https://datasheet.ciiva.com/2467/dcrcwe3-2467559.pdf?src-supplier=Digi-Key, ComponentLink4URL=https://datasheet.ciiva.com/2467/dcrcwe3-2467559.pdf?src-supplier=Digi-Key, ComponentLink5Description=https://datasheet.ciiva.com/5549/dcrcwe3-109170-5549629.pdf?src-supplier=Mouser, ComponentLink5URL=https://datasheet.ciiva.com/5549/dcrcwe3-109170-5549629.pdf?src-supplier=Mouser, ComponentLink6Description=https://datasheet.ciiva.com/7670/1697337-7670298.pdf?src-supplier=Element14, ComponentLink6URL=https://datasheet.ciiva.com/7670/1697337-7670298.pdf?src-supplier=Element14, ComponentLink7Description=https://datasheet.ciiva.com/7670/1697337-7670299.pdf?src-supplier=Element14, ComponentLink7URL=https://datasheet.ciiva.com/7670/1697337-7670299.pdf?src-supplier=Element14, ComponentLink8Description=https://datasheet.ciiva.com/22675/1847332-22675199.pdf?src-supplier=Element14, ComponentLink8URL=https://datasheet.ciiva.com/22675/1847332-22675199.pdf?src-supplier=Element14, ComponentLink9Description=https://datasheet.ciiva.com/7178/1635184-7178791.pdf?src-supplier=Newark, ComponentLink9URL=https://datasheet.ciiva.com/7178/1635184-7178791.pdf?src-supplier=Newark, ComponentLink10Description=https://datasheet.ciiva.com/22871/70201119-22871769.pdf?src-supplier=Allied+Electronics, ComponentLink10URL=https://datasheet.ciiva.com/22871/70201119-22871769.pdf?src-supplier=Allied+Electronics, ComponentLink11Description=https://datasheet.ciiva.com/16780/70201119-16780488.pdf?src-supplier=Allied+Electronics, ComponentLink11URL=https://datasheet.ciiva.com/16780/70201119-16780488.pdf?src-supplier=Allied+Electronics, Composition="Thick Film", Construction=Rectangular, Contact Plating=Tin, Depth=1.25mm, Features="Automotive AEC-Q200", Height=0.02inch, Lead Free="Lead Free", Length=2mm, Manufacturer 2=Vishay, Manufacturer 3=Vishay, Manufacturer Part Number 1=CRCW08053K09FKEA, Manufacturer Part Number 2=CRCW08053K09FKEA, Manufacturer Part Number 3=CRCW08053K09FKEA, Military Standard=Not, Number of Pins=2, Number of Terminations=2, Packaging="Tape and Reel", Power Rating=125mW, Pricing 1="1=0.10000, 10=0.06700, 100=0.02710, 1000=0.01219, 2500=0.01058 (USD)", Pricing 2="1=0.10000, 10=0.06700, 100=0.02710, 1000=0.01219, 2500=0.01058 (USD)", Pricing 3="1=0.18000, 10=0.06800, 50=0.06800, 100=0.02800, 1000=0.01500, 10000=0.00900 (USD)", Radiation Hardening=No, REACH SVHC=Unknown, RoHS=Yes, RoHS Compliant=Yes, Series=CRCW, Size Code=0805, Stock 1=4900, Stock 2=4900, Stock 3=6174, Supplier 1=Digi-Key, Supplier 2=Digi-Key, Supplier 3=Mouser, Supplier Part Number 2=541-3.09KCDKR-ND, Supplier Part Number 3=71-CRCW0805-3.09K-E3, Technology="THICK FILM", Termination=Solder, Tolerance=1%, Voltage Rating (DC)=150V, Weight=0.000194oz, Width=0.049inch